# KiCad board Soldered Inkplate 4 TEMPERA with glass panel_panel.kicad_pcb (continued)
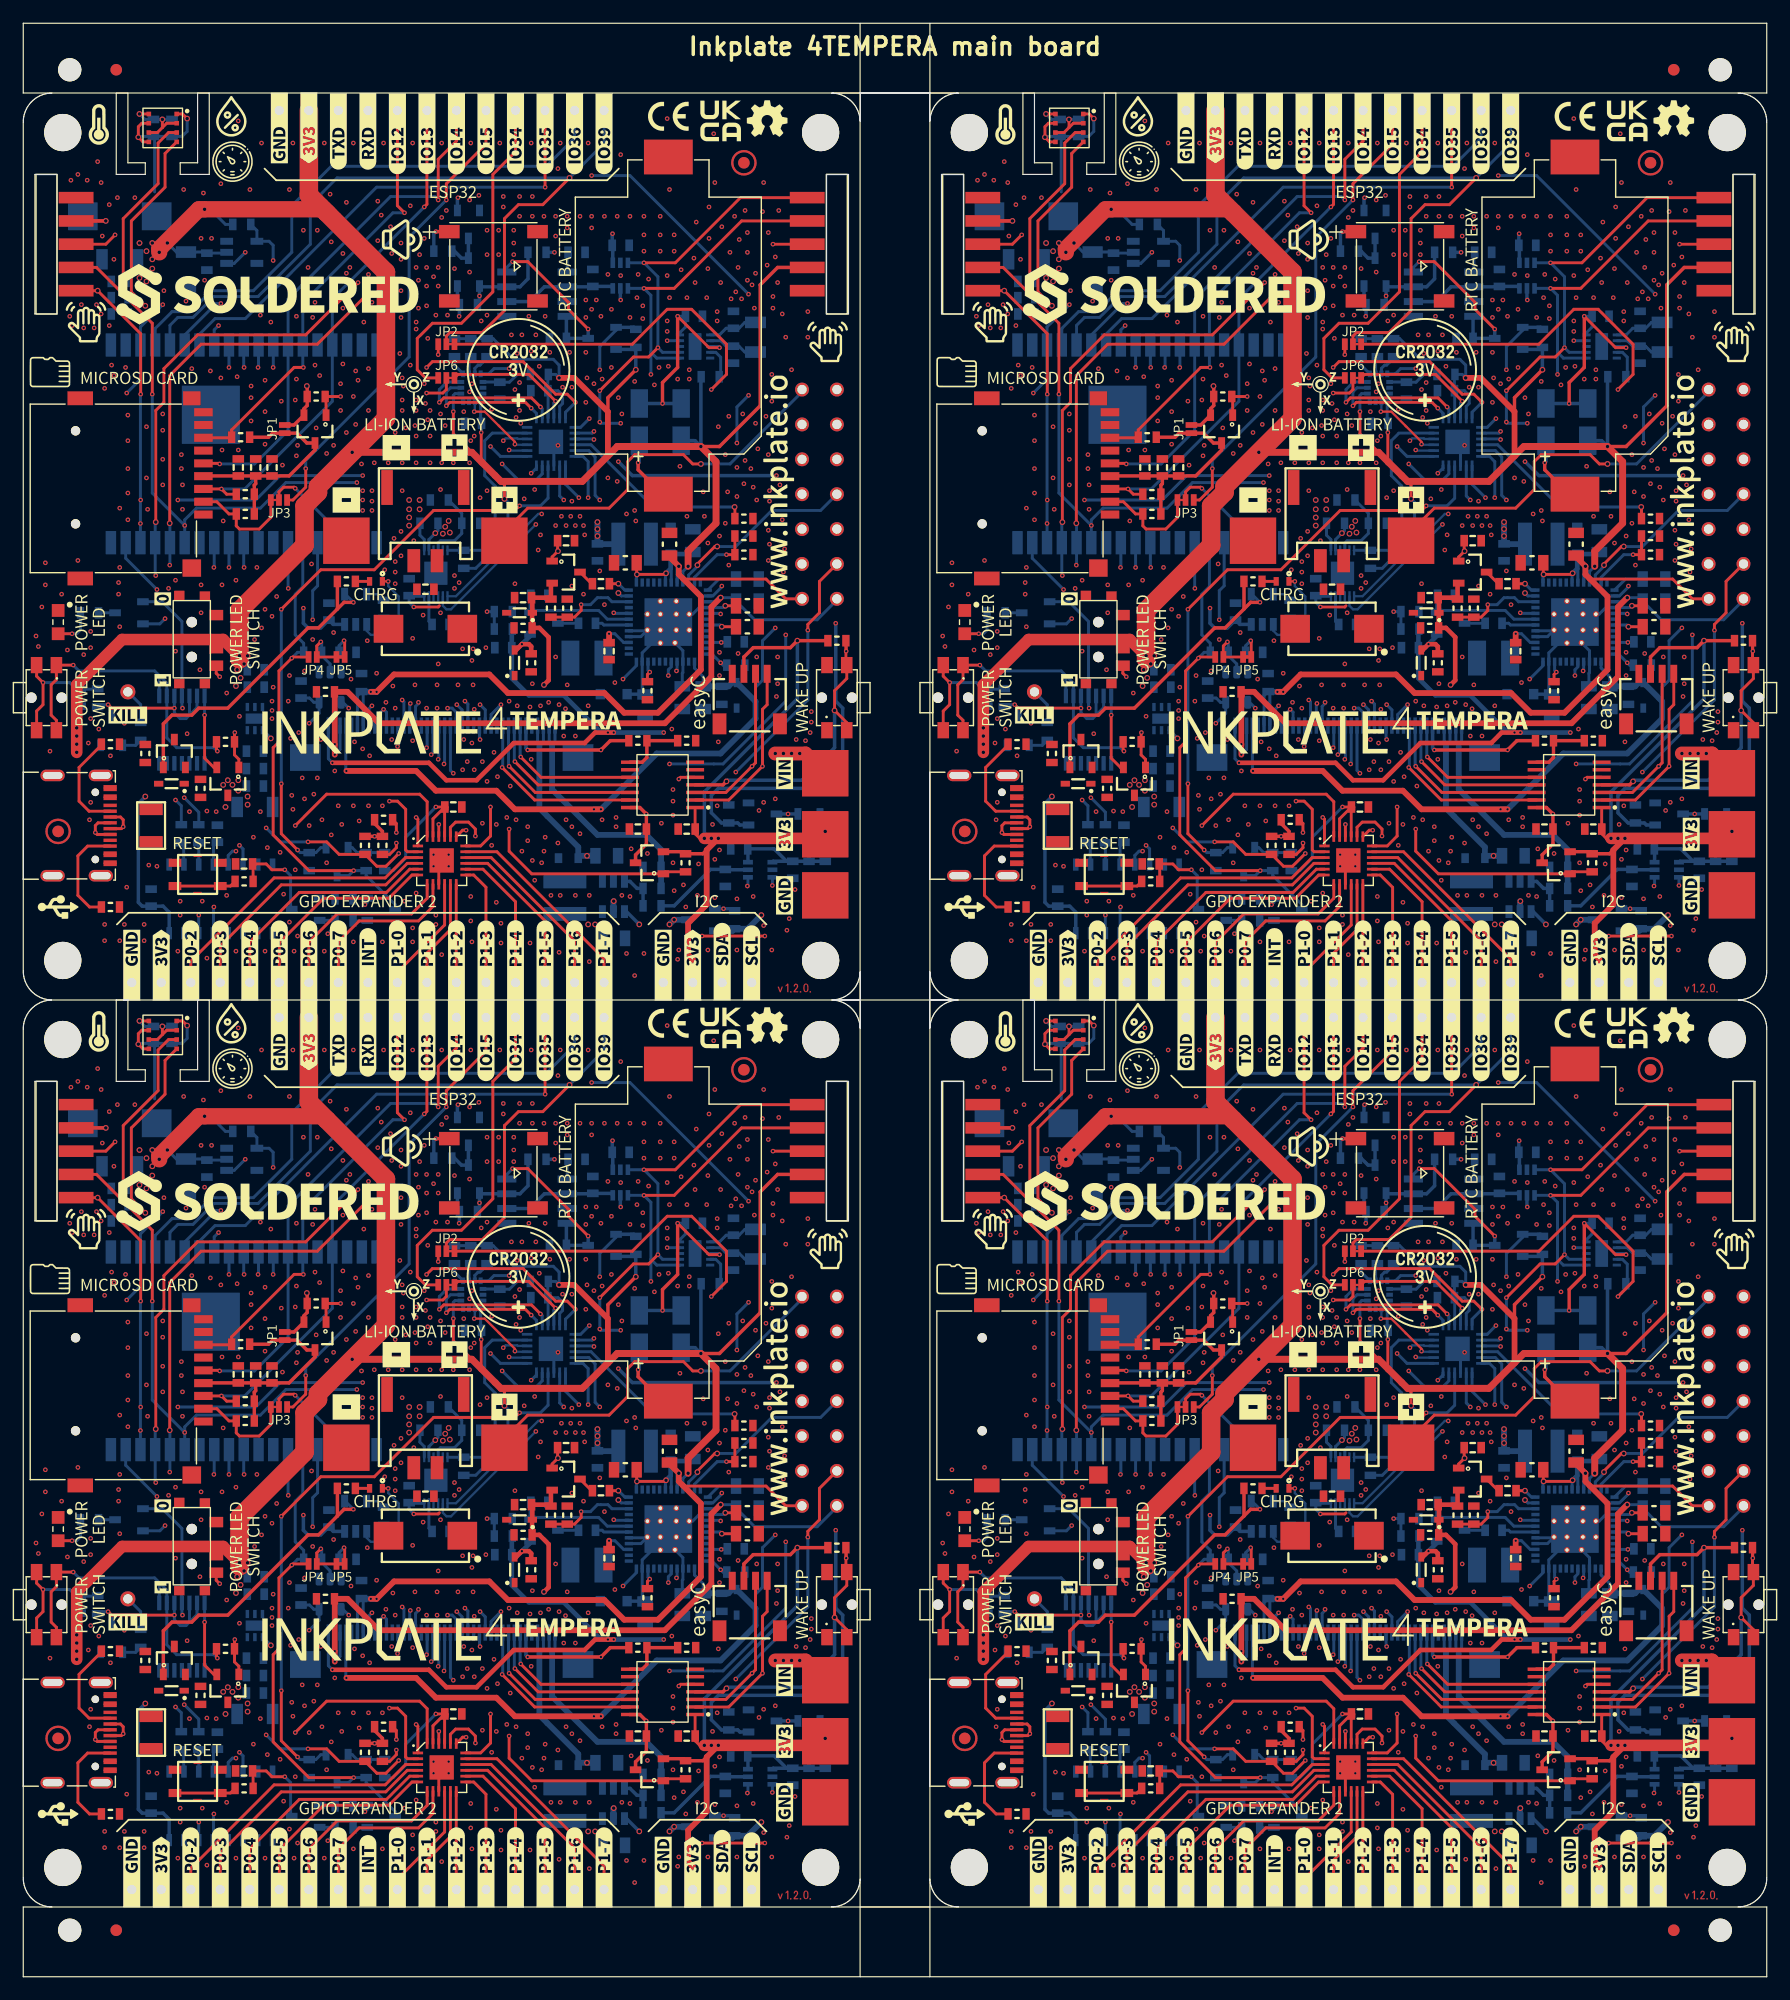
[diagram p0: board, top side]
## Nets (continued)
Board_2-GND: C1#4.1 C2#4.1 C3#4.1 C4#2.1 C5#2.1 C6#4.1 C7#3.1 C8.1 C9#3.1 C10#3.1 C11#3.1 C12#3.1 C13.1 C14#3.1 C15#3.1 C18#4.1 C19.1 C20#3.1 C21#2.1 C22#2.1 C23#2.1 C24#4.1 C25#4.1 C26#4.1 C27#2.1 C28#4.2 C29#2.1 C30#3.2 C31.1 C32#2.1 C33#3.1 C34.1 C35#2.1 C36#3.1 C37.1 C38#3.1 C39#2.1 C40#4.1 C41#4.1 C42#2.1 C43#2.2 C44#4.2 C45.2 C46#3.1 C47#4.1 C48#3.1 C49#2.2 C50.1 C51#4.1 C52#4.1 C53#4.1 C54.2 C55#3.1 C56.1 C57#2.1 C58#4.1 C59.1 C60#3.1 C61#3.1 C62#2.1 C63#4.1 C64#2.1 C65#2.1 C66.1 C67#4.1 C68#3.1 D3#3.1 D4.2 D5#2.2 D9#2.2 K1#4.3 K1#4.9 K1#4.10 K1#4.12 K2.A1 K2.A12 K2.B1 K2.B12 K2.SH K3.2 K4#2.4 K4#2.5 K8#3.1 K10#3.6 K11.- K12#2.5 K12#2.11 K12#2.15 K12#2.24 K12#2.29 K12#2.32 K12#2.36 K12#2.41 K14.1 K23#2.1 K42#4.5 K43.5 L1.1 PAD2#3.1 PAD5#3.1 Q5#3.2 Q10#4.2 Q15#3.2 R3#4.2 R4#2.2 R5.2 R6#3.2 R7#4.2 R8.1 R9#4.1 R10#3.1 R11#4.1 R12#4.1 R14#2.1 R16#3.1 R17.2 R18#4.2 R20.1 R23#2.2 R28.2 R38#3.1 R47#4.2 R48#3.1 R51.1 SW1.1 SW3#3.1 U1#2.6 U1#2.8 U1#2.33 U1#2.41 U1#2.48 U2#2.2 U3.5 U4#4.3 U5#4.3 U6#2.1 U7.1 U7.2 U7.5 U7.6 U7.7 U8.5 U9#2.2 U10#3.7 U11#4.3 U12.2 U13#2.9 U13#2.18 U13#2.25 U14#2.1 U14#2.15 U14#2.38 U14#2.39 U15#2.9 U15#2.25 U16#4.2 U17.6 U17.7 U18#2.1 U19#2.1 U19#2.5 U19#2.7 U20#2.2
Board_2-GPIO15: JP3#2.3 K32.1
Board_2-GPIO_0: JP4#3.1 Q1#3.3 Q3.3 R22.1 R45#4.1 U14#2.25
Board_2-GPIO_0_MOSFET: Q1#3.1 R20.2 U13#2.10
Board_2-GPIO_36: K25.1 R41#2.1 SW3#3.2 U10#3.4 U14#2.4
Board_2-GPIO_39: JP2.2 K24#3.1 U14#2.5
Board_2-GPOUT_FG: R26.2 U5#4.12 U13#2.17
Board_2-I2C_SCL: K1#4.6 K4#2.1 K6#3.1 K42#4.1 K43.1 R1.1 U1#2.17 U5#4.2 U8.7 U9#2.3 U10#3.2 U13#2.19 U14#2.36 U15#2.19 U16#4.3 U17.13 U19#2.4
Board_2-I2C_SCL_B: K12#2.10 U10#3.13
Board_2-I2C_SDA: K1#4.5 K4#2.2 K7#4.1 K42#4.2 K43.2 R2.1 U1#2.18 U5#4.1 U8.6 U9#2.4 U10#3.3 U13#2.20 U14#2.33 U15#2.20 U16#4.4 U17.14 U19#2.3
Board_2-I2C_SDA_B: K12#2.9 U10#3.12
Board_2-INT: U1#2.2 U13#2.7
Board_2-INT1_LSM: U13#2.16 U17.4
Board_2-INT2_LSM: U13#2.15 U17.9
Board_2-INT_APDS: K42#4.3 K43.3 U13#2.11
Board_2-MANUAL_RST: C34.2 Q2#4.3 R27#4.1 R32#3.2 U4#4.4
Board_2-Net-(C16-Pad1): C16#3.1 D6#3.3
Board_2-Net-(C17-Pad2): C17#4.2 D7#2.3
Board_2-Net-(C28-Pad1): C28#4.1 U5#4.5
Board_2-Net-(C33-Pad2): C33#3.2 U6#2.4
Board_2-Net-(C35-Pad2): C35#2.2 R37#4.1 SW2.2
Board_2-Net-(C43-Pad1): C43#2.1 C44#4.1 C45.1 C47#4.2 Q9#3.3 U9#2.1 U9#2.6
Board_2-Net-(C46-Pad2): C46#3.2 JP5.2
Board_2-Net-(C68-Pad2): C68#3.2 U18#2.5
Board_2-Net-(D8-Pad1): D8.1 R19#3.2
Board_2-Net-(D8-Pad2): D8.2 U2#2.1
Board_2-Net-(D9-Pad1): D9#2.1 R31#2.2
Board_2-Net-(D12-Pad1): D12#3.1 K11.+
Board_2-Net-(D13-Pad1): D13#3.1 L3.1 U12.1
Board_2-Net-(F1-Pad2): F1#3.2 K2.A4 K2.A9 K2.B4 K2.B9
Board_2-Net-(JP2-Pad3): JP2.3 R40#2.1 U8.4
Board_2-Net-(JP3-Pad1): JP3#2.1 K10#3.2 R42#4.1
Board_2-Net-(JP4-Pad2): JP4#3.2 JP5.1 R45#4.2 U11#4.2
Board_2-Net-(JP6-Pad3): JP6.3 K17#4.1
Board_2-Net-(K2-PadA5): K2.A5 R18#4.1
Board_2-Net-(K2-PadB5): K2.B5 R17.1
Board_2-Net-(K9-Pad1): K9#3.1 R33#4.2
Board_2-Net-(K15-Pad1): K15.1 U14#2.7
Board_2-Net-(K26-Pad1): K26#4.1 U15#2.3
Board_2-Net-(K27-Pad1): K27#3.1 U15#2.4
Board_2-Net-(K28-Pad1): K28#3.1 U15#2.5
Board_2-Net-(K29-Pad1): K29#2.1 U15#2.6
Board_2-Net-(K30-Pad1): K30#3.1 U15#2.7
Board_2-Net-(K31-Pad1): K31#2.1 U15#2.8
Board_2-Net-(K33-Pad1): K33.1 U15#2.10
Board_2-Net-(K34-Pad1): K34#4.1 U15#2.11
Board_2-Net-(K35-Pad1): K35#2.1 U15#2.12
Board_2-Net-(K36-Pad1): K36#4.1 U15#2.13
Board_2-Net-(K37-Pad1): K37.1 U15#2.14
Board_2-Net-(K38-Pad1): K38#4.1 U15#2.15
Board_2-Net-(K39-Pad1): K39.1 U15#2.16
Board_2-Net-(K40-Pad1): K40#2.1 U15#2.17
Board_2-Net-(K41-Pad1): K41#4.1 R55#3.2 U15#2.22
Board_2-Net-(Q1-Pad2): Q1#3.2 R21#4.1 R22.2
Board_2-Net-(Q2-Pad1): Q2#4.1 R29#2.1
Board_2-Net-(Q3-Pad1): Q3.1 R30#2.1
Board_2-Net-(Q4-Pad2): Q4.2 S1.3
Board_2-Net-(Q4-Pad3): Q4.3 R31#2.1
Board_2-Net-(Q5-Pad1): Q5#3.1 R33#4.1
Board_2-Net-(Q5-Pad3): Q5#3.3 R37#4.2 U7.10 U7.12 U7.13
Board_2-Net-(Q14-Pad3): Q14#3.3 Q15#3.3 R62#2.1
Board_2-Net-(R23-Pad1): R23#2.1 U2#2.5
Board_2-Net-(R32-Pad1): R32#3.1 SW1.2
Board_2-Net-(R36-Pad1): R36.1 SW2.1 U7.8 U7.9
Board_2-Net-(R46-Pad1): R46#3.1 R47#4.1 U10#3.8
Board_2-Net-(R49-Pad2): R49#3.2 R50#4.1 U12.3
Board_2-Net-(R56-Pad2): R56#2.2 U17.1
Board_2-Net-(R57-Pad2): R57#2.2 U17.2
Board_2-Net-(R58-Pad2): R58#2.2 U17.3
Board_2-Net-(R62-Pad2): R62#2.2 U20#2.1
Board_2-OUT: Q14#3.1 Q15#3.1 R59#4.2 R61#2.1 U18#2.3
Board_2-POT_A: C62#2.2 U16#4.6 U18#2.2 U18#2.6
Board_2-POT_W: R59#4.1 U16#4.5
Board_2-PWR_GOOD: U1#2.24 U13#2.8
Board_2-PWRUP: R5.1 U1#2.22 U13#2.5
Board_2-RST: U4#4.1 U13#2.24 U14#2.3 U15#2.24
Board_2-RXD: K18.1 R35#3.2 U14#2.34
Board_2-SD_ENABLE: Q8.1 R39#2.2 U13#2.13
Board_2-SPI_CS: JP3#2.2 U14#2.23
Board_2-SPI_MISO: K10#3.7 K20#4.1 R44#3.1 U14#2.14
Board_2-SPI_MOSI: K10#3.3 K21.1 R43#2.1 U14#2.16
Board_2-SPI_SCK: K10#3.5 K19.1 U14#2.13
Board_2-SW_IN: D10#4.2 Q6.2 Q7#3.2 R63#3.2 U7.14
Board_2-SW_OUT_D: Q4.1 Q6.1 R36.2 U7.11
Board_2-TOUCH_EN: Q11#3.1 R52.2 U15#2.1
Board_2-TOUCH_INT_B: K12#2.8 U10#3.11
Board_2-TOUCH_RESET: U10#3.5 U15#2.2
Board_2-TOUCH_RESET_B: K12#2.7 U10#3.10
Board_2-TXD: K16.1 R34#4.2 U14#2.35
Board_2-unconnected-(K2-PadA8): K2.A8
Board_2-unconnected-(K2-PadB8): K2.B8
Board_2-unconnected-(K10-Pad1): K10#3.1
Board_2-unconnected-(K10-Pad8): K10#3.8
Board_2-unconnected-(S1-Pad1): S1.1
Board_2-unconnected-(U3-Pad3): U3.3
Board_2-unconnected-(U4-Pad5): U4#4.5
Board_2-unconnected-(U5-Pad4): U5#4.4
Board_2-unconnected-(U5-Pad9): U5#4.9
Board_2-unconnected-(U5-Pad11): U5#4.11
Board_2-unconnected-(U6-Pad9): U6#2.9
Board_2-unconnected-(U6-Pad10): U6#2.10
Board_2-unconnected-(U6-Pad11): U6#2.11
Board_2-unconnected-(U6-Pad12): U6#2.12
Board_2-unconnected-(U6-Pad15): U6#2.15
Board_2-unconnected-(U7-Pad3): U7.3
Board_2-unconnected-(U7-Pad4): U7.4
Board_2-unconnected-(U8-Pad8): U8.8
Board_2-unconnected-(U10-Pad6): U10#3.6
Board_2-unconnected-(U10-Pad9): U10#3.9
Board_2-unconnected-(U11-Pad1): U11#4.1
Board_2-unconnected-(U14-Pad17): U14#2.17
Board_2-unconnected-(U14-Pad18): U14#2.18
Board_2-unconnected-(U14-Pad19): U14#2.19
Board_2-unconnected-(U14-Pad20): U14#2.20
Board_2-unconnected-(U14-Pad21): U14#2.21
Board_2-unconnected-(U14-Pad22): U14#2.22
Board_2-unconnected-(U17-Pad10): U17.10
Board_2-unconnected-(U17-Pad11): U17.11
Board_2-unconnected-(U18-Pad7): U18#2.7
Board_2-VBAT: C29#2.2 C30#3.1 C31.2 K1#4.8 K3.1 PAD1#3.1 R24#3.2 U5#4.6 U5#4.8
Board_2-VCOM: C7#3.2 D4.1 K1#4.11 K12#2.37 R9#4.2 U1#2.14
Board_2-VCOM_CTRL: R4#2.1 U1#2.12 U13#2.6
Board_2-VDDH: C15#3.2 D3#3.2 D7#2.2 K1#4.2 K12#2.33 R8.2 R15#2.2
Board_2-VEE: C14#3.2 D5#2.1 D6#3.1 K1#4.13 K12#2.40 R10#3.2 R13#4.2
Board_2-VIN: C6#4.2 C9#3.2 C10#3.2 C20#3.2 C21#2.2 C22#2.2 C23#2.2 K1#4.7 L2#3.1 PAD3#2.1 Q6.3 Q12#2.2 R53#2.2 R63#3.1 U1#2.10 U1#2.27 U3.4 U3.6
Board_2-VIN_BCK: C52#4.2 L3.2 Q12#2.3 U12.4 U12.6
Board_2-VNEG: C2#4.2 K1#4.1 K12#2.38 K12#2.39 R6#3.1 U1#2.3
Board_2-VPOS: C13.2 K1#4.14 K12#2.34 K12#2.35 R7#4.1 U1#2.44
Board_2-VSYS: C67#4.2 Q7#3.3 R24#3.1 R25#4.1 U2#2.3 U5#4.7
Board_2-VUSB: C32#2.2 D10#4.1 F1#3.1 Q7#3.1 R19#3.1 R38#3.2 U2#2.4 U6#2.16
Board_2-WAKEUP: R3#4.1 U1#2.5 U13#2.4
Board_3-3V3: C24.2 C25#3.2 C26#3.2 C27#4.2 C42.2 C53.2 C54#4.1 C55.2 C56#2.2 C57#4.2 C58.2 C59#2.2 C61#4.2 C63.2 C64#3.2 C65#3.2 D11#2.1 JP1#2.2 K4.3 K5#2.1 K13.1 K22#3.1 K42.4 K43#2.4 PAD4#3.1 Q8#3.2 Q9#2.2 Q11#2.2 Q13#3.2 R1#4.2 R2#2.2 R21#2.2 R26#4.1 R27#3.2 R39#3.1 R40#4.2 R41.2 R52#3.1 R54#4.1 R55#2.1 R56#4.1 R57#3.1 R58.1 R60#3.1 S1#4.2 U1#3.45 U3#4.1 U4#3.2 U10#4.1 U13#3.21 U13#3.23 U14#4.2 U15#3.18 U15#3.21 U15#3.23 U17#4.5 U17#4.8 U17#4.12 U19#3.2 U19#3.6 U19#3.8
Board_3-3V3-EINK: C51.2 K1.4 K12#3.30 K12#3.31 U1#3.46 U11.5
Board_3-3V3_BUZZER: C60#4.2 C66#2.2 Q13#3.3 Q14.2 R61#3.2 U16.1 U18#4.4 U18#4.8
Board_3-3V3_MICROSD: C39.2 C40#3.2 C41#3.2 JP1#2.1 K10.4 Q8#3.3 R42.2 R43#3.2 R44.2
Board_3-3V3_RTC: C38.2 D11#2.2 D12#4.2 U8#4.3 U8#4.10
Board_3-3V3_TOUCH: C49#3.1 K12#3.6 Q11#2.3 R46.2 U10#4.14
Board_3-/CTRL & COMS/BIN: R25#3.2 R28#4.1 U5#3.10
Board_3-/CTRL & COMS/CH_RXD: R34#2.1 U6#4.3
Board_3-/CTRL & COMS/CH_TXD: R35.1 U6#4.2
Board_3-/CTRL & COMS/DTR: Q3#2.2 R29#3.2 U6#4.13
Board_3-/CTRL & COMS/RTS: Q2.2 R30.2 U6#4.14
Board_3-/E-paper/DAC_OUT: C48.2 R50#2.2 U9#3.5
Board_3-/MCU & GPIO Expanders/GPIO34: JP6#4.2 U14#4.6
Board_3-/MCU & GPIO Expanders/INTB: JP6#4.1 R54#4.2 U13#3.22
Board_3-/POWER/INT_LDO: C4#3.2 U1#3.7
Board_3-/POWER/TS: R11#2.2 R12.2 U1#3.47
Board_3-/POWER/VB: C11#2.2 C12.2 D2#3.1 U1#3.37 U1#3.42 U1#3.43
Board_3-/POWER/VB_SW: D2#3.2 L2#4.2 U1#3.40
Board_3-/POWER/VN: C3.2 C5#4.2 C8#4.2 D1#3.2 U1#3.4 U1#3.16 U1#3.23 U1#3.28 U1#3.29 U1#3.49
Board_3-/POWER/VN_SW: D1#3.1 L1#2.2 U1#3.25
Board_3-/POWER/VREF: C1.2 U1#3.1
Board_3-/SD & RTC/X1: C36#4.2 U8#4.1 X1.1
Board_3-/SD & RTC/X2: C37#3.2 U8#4.2 X1.2
Board_3-BACKLIGHT_EN: Q10#3.1 R51#3.2 U13#3.12
Board_3-BCK_ANODE: C50#4.2 D13#2.2 K12#3.3 K12#3.4 U12#3.5
Board_3-BCK_CATHODE: K12#3.1 K12#3.2 R48.2 R49#4.1
Board_3-BCK_MOS: Q9#2.1 Q10#3.3 Q12#3.1 R53#4.1
Board_3-BUZZER_EN: Q13#3.1 R60#3.2 U13#3.14
Board_3-CLKOUT_RTC: JP2#2.1 U8#4.9
Board_3-D+: K2#4.A6 K2#4.B6 U6#4.5
Board_3-D-: K2#4.A7 K2#4.B7 U6#4.6
Board_3-EPD_CKV: K12#3.13 U14#4.8
Board_3-EPD_CL: K12#3.28 U11.4
Board_3-EPD_D0: K12#3.23 U14#4.26
Board_3-EPD_D1: K12#3.22 U14#4.29
Board_3-EPD_D2: K12#3.21 U14#4.30
Board_3-EPD_D3: K12#3.20 U14#4.31
Board_3-EPD_D4: K12#3.19 U14#4.37
Board_3-EPD_D5: K12#3.18 U14#4.10
Board_3-EPD_D6: K12#3.17 U14#4.11
Board_3-EPD_D7: K12#3.16 U14#4.12
Board_3-EPD_GMODE: K12#3.14 U13#3.2
Board_3-EPD_LE: K12#3.27 U14#4.24
Board_3-EPD_OE: K12#3.26 U13#3.1
Board_3-EPD_SPH: K12#3.25 U14#4.9
Board_3-EPD_SPV: K12#3.12 U13#3.3
Board_3-GND: C1.1 C2#2.1 C3.1 C4#3.1 C5#4.1 C6#2.1 C7#2.1 C8#4.1 C9#4.1 C10.1 C11#2.1 C12.1 C13#3.1 C14#4.1 C15#4.1 C18#2.1 C19#4.1 C20.1 C21.1 C22.1 C23.1 C24.1 C25#3.1 C26#3.1 C27#4.1 C28#2.2 C29.1 C30#2.2 C31#4.1 C32.1 C33#2.1 C34#3.1 C35#3.1 C36#4.1 C37#3.1 C38.1 C39.1 C40#3.1 C41#3.1 C42.1 C43.2 C44#3.2 C45#3.2 C46#2.1 C47#3.1 C48.1 C49#3.2 C50#4.1 C51.1 C52#3.1 C53.1 C54#4.2 C55.1 C56#2.1 C57#4.1 C58.1 C59#2.1 C60#4.1 C61#4.1 C62.1 C63.1 C64#3.1 C65#3.1 C66#2.1 C67#2.1 C68.1 D3#2.1 D4#3.2 D5.2 D9.2 K1.3 K1.9 K1.10 K1.12 K2#4.A1 K2#4.A12 K2#4.B1 K2#4.B12 K2#4.SH K3#4.2 K4.4 K4.5 K8#2.1 K10.6 K11#4.- K12#3.5 K12#3.11 K12#3.15 K12#3.24 K12#3.29 K12#3.32 K12#3.36 K12#3.41 K14#4.1 K23.1 K42.5 K43#2.5 L1#2.1 PAD2.1 PAD5#4.1 Q5#2.2 Q10#3.2 Q15#2.2 R3#3.2 R4.2 R5#3.2 R6#2.2 R7#3.2 R8#3.1 R9.1 R10.1 R11#2.1 R12.1 R14#3.1 R16#4.1 R17#2.2 R18.2 R20#2.1 R23.2 R28#4.2 R38#4.1 R47.2 R48.1 R51#3.1 SW1#4.1 SW3#4.1 U1#3.6 U1#3.8 U1#3.33 U1#3.41 U1#3.48 U2#4.2 U3#4.5 U4#3.3 U5#3.3 U6#4.1 U7#4.1 U7#4.2 U7#4.5 U7#4.6 U7#4.7 U8#4.5 U9#3.2 U10#4.7 U11.3 U12#3.2 U13#3.9 U13#3.18 U13#3.25 U14#4.1 U14#4.15 U14#4.38 U14#4.39 U15#3.9 U15#3.25 U16.2 U17#4.6 U17#4.7 U18#4.1 U19#3.1 U19#3.5 U19#3.7 U20#4.2
Board_3-GPIO15: JP3#4.3 K32#2.1
Board_3-GPIO_0: JP4#4.1 Q1#4.3 Q3#2.3 R22#4.1 R45#3.1 U14#4.25
Board_3-GPIO_0_MOSFET: Q1#4.1 R20#2.2 U13#3.10
Board_3-GPIO_36: K25#2.1 R41.1 SW3#4.2 U10#4.4 U14#4.4
Board_3-GPIO_39: JP2#2.2 K24#4.1 U14#4.5
Board_3-GPOUT_FG: R26#4.2 U5#3.12 U13#3.17
Board_3-I2C_SCL: K1.6 K4.1 K6#2.1 K42.1 K43#2.1 R1#4.1 U1#3.17 U5#3.2 U8#4.7 U9#3.3 U10#4.2 U13#3.19 U14#4.36 U15#3.19 U16.3 U17#4.13 U19#3.4
Board_3-I2C_SCL_B: K12#3.10 U10#4.13
Board_3-I2C_SDA: K1.5 K4.2 K7.1 K42.2 K43#2.2 R2#2.1 U1#3.18 U5#3.1 U8#4.6 U9#3.4 U10#4.3 U13#3.20 U14#4.33 U15#3.20 U16.4 U17#4.14 U19#3.3
Board_3-I2C_SDA_B: K12#3.9 U10#4.12
Board_3-INT: U1#3.2 U13#3.7
Board_3-INT1_LSM: U13#3.16 U17#4.4
Board_3-INT2_LSM: U13#3.15 U17#4.9
Board_3-INT_APDS: K42.3 K43#2.3 U13#3.11
Board_3-MANUAL_RST: C34#3.2 Q2.3 R27#3.1 R32#2.2 U4#3.4
Board_3-Net-(C16-Pad1): C16#4.1 D6.3
Board_3-Net-(C17-Pad2): C17.2 D7#4.3
Board_3-Net-(C28-Pad1): C28#2.1 U5#3.5
Board_3-Net-(C33-Pad2): C33#2.2 U6#4.4
Board_3-Net-(C35-Pad2): C35#3.2 R37#2.1 SW2#2.2
Board_3-Net-(C43-Pad1): C43.1 C44#3.1 C45#3.1 C47#3.2 Q9#2.3 U9#3.1 U9#3.6
Board_3-Net-(C46-Pad2): C46#2.2 JP5#3.2
Board_3-Net-(C68-Pad2): C68.2 U18#4.5
Board_3-Net-(D8-Pad1): D8#3.1 R19#4.2
Board_3-Net-(D8-Pad2): D8#3.2 U2#4.1
Board_3-Net-(D9-Pad1): D9.1 R31#4.2
Board_3-Net-(D12-Pad1): D12#4.1 K11#4.+
Board_3-Net-(D13-Pad1): D13#2.1 L3#4.1 U12#3.1
Board_3-Net-(F1-Pad2): F1#4.2 K2#4.A4 K2#4.A9 K2#4.B4 K2#4.B9
Board_3-Net-(JP2-Pad3): JP2#2.3 R40#4.1 U8#4.4
Board_3-Net-(JP3-Pad1): JP3#4.1 K10.2 R42.1
Board_3-Net-(JP4-Pad2): JP4#4.2 JP5#3.1 R45#3.2 U11.2
Board_3-Net-(JP6-Pad3): JP6#4.3 K17#3.1
Board_3-Net-(K2-PadA5): K2#4.A5 R18.1
Board_3-Net-(K2-PadB5): K2#4.B5 R17#2.1
Board_3-Net-(K9-Pad1): K9#2.1 R33#3.2
Board_3-Net-(K15-Pad1): K15#4.1 U14#4.7
Board_3-Net-(K26-Pad1): K26#3.1 U15#3.3
Board_3-Net-(K27-Pad1): K27.1 U15#3.4
Board_3-Net-(K28-Pad1): K28.1 U15#3.5
Board_3-Net-(K29-Pad1): K29#3.1 U15#3.6
Board_3-Net-(K30-Pad1): K30.1 U15#3.7
Board_3-Net-(K31-Pad1): K31#4.1 U15#3.8
Board_3-Net-(K33-Pad1): K33#2.1 U15#3.10
Board_3-Net-(K34-Pad1): K34#3.1 U15#3.11
Board_3-Net-(K35-Pad1): K35#4.1 U15#3.12
Board_3-Net-(K36-Pad1): K36#2.1 U15#3.13
Board_3-Net-(K37-Pad1): K37#2.1 U15#3.14
Board_3-Net-(K38-Pad1): K38.1 U15#3.15
Board_3-Net-(K39-Pad1): K39#2.1 U15#3.16
Board_3-Net-(K40-Pad1): K40.1 U15#3.17
Board_3-Net-(K41-Pad1): K41#2.1 R55#2.2 U15#3.22
Board_3-Net-(Q1-Pad2): Q1#4.2 R21#2.1 R22#4.2
Board_3-Net-(Q2-Pad1): Q2.1 R29#3.1
Board_3-Net-(Q3-Pad1): Q3#2.1 R30.1
Board_3-Net-(Q4-Pad2): Q4#2.2 S1#4.3
Board_3-Net-(Q4-Pad3): Q4#2.3 R31#4.1
Board_3-Net-(Q5-Pad1): Q5#2.1 R33#3.1
Board_3-Net-(Q5-Pad3): Q5#2.3 R37#2.2 U7#4.10 U7#4.12 U7#4.13
Board_3-Net-(Q14-Pad3): Q14.3 Q15#2.3 R62.1
Board_3-Net-(R23-Pad1): R23.1 U2#4.5
Board_3-Net-(R32-Pad1): R32#2.1 SW1#4.2
Board_3-Net-(R36-Pad1): R36#2.1 SW2#2.1 U7#4.8 U7#4.9
Board_3-Net-(R46-Pad1): R46.1 R47.1 U10#4.8
Board_3-Net-(R49-Pad2): R49#4.2 R50#2.1 U12#3.3
Board_3-Net-(R56-Pad2): R56#4.2 U17#4.1
Board_3-Net-(R57-Pad2): R57#3.2 U17#4.2
Board_3-Net-(R58-Pad2): R58.2 U17#4.3
Board_3-Net-(R62-Pad2): R62.2 U20#4.1
Board_3-OUT: Q14.1 Q15#2.1 R59#3.2 R61#3.1 U18#4.3
Board_3-POT_A: C62.2 U16.6 U18#4.2 U18#4.6
Board_3-POT_W: R59#3.1 U16.5
Board_3-PWR_GOOD: U1#3.24 U13#3.8
Board_3-PWRUP: R5#3.1 U1#3.22 U13#3.5
Board_3-RST: U4#3.1 U13#3.24 U14#4.3 U15#3.24
Board_3-RXD: K18#3.1 R35.2 U14#4.34
Board_3-SD_ENABLE: Q8#3.1 R39#3.2 U13#3.13
Board_3-SPI_CS: JP3#4.2 U14#4.23
Board_3-SPI_MISO: K10.7 K20#3.1 R44.1 U14#4.14
Board_3-SPI_MOSI: K10.3 K21#2.1 R43#3.1 U14#4.16
Board_3-SPI_SCK: K10.5 K19#2.1 U14#4.13
Board_3-SW_IN: D10#3.2 Q6#2.2 Q7#2.2 R63#2.2 U7#4.14
Board_3-SW_OUT_D: Q4#2.1 Q6#2.1 R36#2.2 U7#4.11
Board_3-TOUCH_EN: Q11#2.1 R52#3.2 U15#3.1
Board_3-TOUCH_INT_B: K12#3.8 U10#4.11
Board_3-TOUCH_RESET: U10#4.5 U15#3.2
Board_3-TOUCH_RESET_B: K12#3.7 U10#4.10
Board_3-TXD: K16#2.1 R34#2.2 U14#4.35
Board_3-unconnected-(K2-PadA8): K2#4.A8
Board_3-unconnected-(K2-PadB8): K2#4.B8
Board_3-unconnected-(K10-Pad1): K10.1
Board_3-unconnected-(K10-Pad8): K10.8
Board_3-unconnected-(S1-Pad1): S1#4.1
Board_3-unconnected-(U3-Pad3): U3#4.3
Board_3-unconnected-(U4-Pad5): U4#3.5
Board_3-unconnected-(U5-Pad4): U5#3.4
Board_3-unconnected-(U5-Pad9): U5#3.9
Board_3-unconnected-(U5-Pad11): U5#3.11
Board_3-unconnected-(U6-Pad9): U6#4.9
Board_3-unconnected-(U6-Pad10): U6#4.10
Board_3-unconnected-(U6-Pad11): U6#4.11
Board_3-unconnected-(U6-Pad12): U6#4.12
Board_3-unconnected-(U6-Pad15): U6#4.15
Board_3-unconnected-(U7-Pad3): U7#4.3
Board_3-unconnected-(U7-Pad4): U7#4.4
Board_3-unconnected-(U8-Pad8): U8#4.8
Board_3-unconnected-(U10-Pad6): U10#4.6
Board_3-unconnected-(U10-Pad9): U10#4.9
Board_3-unconnected-(U11-Pad1): U11.1
Board_3-unconnected-(U14-Pad17): U14#4.17
Board_3-unconnected-(U14-Pad18): U14#4.18
Board_3-unconnected-(U14-Pad19): U14#4.19
Board_3-unconnected-(U14-Pad20): U14#4.20
Board_3-unconnected-(U14-Pad21): U14#4.21
Board_3-unconnected-(U14-Pad22): U14#4.22
Board_3-unconnected-(U17-Pad10): U17#4.10
Board_3-unconnected-(U17-Pad11): U17#4.11
Board_3-unconnected-(U18-Pad7): U18#4.7
Board_3-VBAT: C29.2 C30#2.1 C31#4.2 K1.8 K3#4.1 PAD1.1 R24#4.2 U5#3.6 U5#3.8
Board_3-VCOM: C7#2.2 D4#3.1 K1.11 K12#3.37 R9.2 U1#3.14
Board_3-VCOM_CTRL: R4.1 U1#3.12 U13#3.6
Board_3-VDDH: C15#4.2 D3#2.2 D7#4.2 K1.2 K12#3.33 R8#3.2 R15#3.2
Board_3-VEE: C14#4.2 D5.1 D6.1 K1.13 K12#3.40 R10.2 R13.2
Board_3-VIN: C6#2.2 C9#4.2 C10.2 C20.2 C21.2 C22.2 C23.2 K1.7 L2#4.1 PAD3#4.1 Q6#2.3 Q12#3.2 R53#4.2 R63#2.1 U1#3.10 U1#3.27 U3#4.4 U3#4.6
Board_3-VIN_BCK: C52#3.2 L3#4.2 Q12#3.3 U12#3.4 U12#3.6
Board_3-VNEG: C2#2.2 K1.1 K12#3.38 K12#3.39 R6#2.1 U1#3.3
Board_3-VPOS: C13#3.2 K1.14 K12#3.34 K12#3.35 R7#3.1 U1#3.44
Board_3-VSYS: C67#2.2 Q7#2.3 R24#4.1 R25#3.1 U2#4.3 U5#3.7
Board_3-VUSB: C32.2 D10#3.1 F1#4.1 Q7#2.1 R19#4.1 R38#4.2 U2#4.4 U6#4.16
Board_3-WAKEUP: R3#3.1 U1#3.5 U13#3.4

Pads without a net: FD1 1; FD1#2 1; FD1#3 1; FD1#4 1; FD2 1; FD2#2 1; FD2#3 1; FD2#4 1; FD3 1; FD3#2 1; FD3#3 1; FD3#4 1; FD4 1; FD4#2 1; FD4#3 1; FD4#4 1; K10 12 CD MNT; K10#2 12 CD MNT; K10#3 12 CD MNT; K10#4 12 CD MNT; S1 MH1 MH2 MP1 MP2 MP3 MP4; S1#2 MH1 MH2 MP1 MP2 MP3 MP4; S1#3 MH1 MH2 MP1 MP2 MP3 MP4; S1#4 MH1 MH2 MP1 MP2 MP3 MP4; U1 9 11 13 15 19 20 21 26 38 39; U1#2 9 11 13 15 19 20 21 26 38 39; U1#3 9 11 13 15 19 20 21 26 38 39; U1#4 9 11 13 15 19 20 21 26 38 39; U3 2; U3#2 2; U3#3 2; U3#4 2; U6 7 8; U6#2 7 8; U6#3 7 8; U6#4 7 8; U14 27 28 32; U14#2 27 28 32; U14#3 27 28 32; U14#4 27 28 32; U20 3 4; U20#2 3 4; U20#3 3 4; U20#4 3 4

## Via types
v1: diameter 0.4, hole 0.2, Top to Bottom, 3408 vias
v2: diameter 0.5, hole 0.3, Top to Bottom, 376 vias

## Routing (per net, layer and track width the routed paths; a pad name or vN(x,y) marks a point on that pad's centre or on a via; arc(x,y) is an arc through that point)
Board_0-/POWER/VDDH_D: length 10
  Top w0.254: C19#3.2 45.97,122.63 v2(46,122.6) 45.5,122.1 D7.1
  In1.Cu w0.254: v2(51.2,119) 49,119 46,122 v2(46,122.6)
  Bottom w0.254: U1.35 51.45,118.75 v2(51.2,119)
Board_0-/POWER/VDDH_DRV: length 1.9
  Top w0.254: C17#3.1 v2(51.2,119.8)
  Bottom w0.254: U1.36 51.75,119.25 v2(51.2,119.8)
Board_0-/POWER/VDDH_FB: length 7.8
  Top w0.254: R15#4.1 R16#2.2 47.43,116.93 48,117.5 v1(48,118)
  Bottom w0.254: U1.34 50.65,118.25 50.3,118.6 49.4,118.6 48.8,118 v1(48,118)
Board_0-/POWER/VEE_D: length 10.4
  Bottom w0.254: U1.31 50.25,116.75 49.5,117.5 43.75,117.5 D6#4.2 43.6,118.73 C18.2
Board_0-/POWER/VEE_DRV: length 2.9
  Bottom w0.254: U1.30 49.95,116.25 49.8,116.4 C16.2
Board_0-/POWER/VEE_FB: length 14.4
  In2.Cu w0.254: v1(39.9,117.4) 40,117.3 v1(50.8,117.3)
  Bottom w0.254: U1.32 50.85,117.25 v1(50.8,117.3) ; v1(39.9,117.4) R14.2 R13#3.1
Board_1-/POWER/VDDH_D: length 10
  Top w0.254: C19#2.2 123.97,122.63 v2(124,122.6) 123.5,122.1 D7#3.1
  In1.Cu w0.254: v2(129.2,119) 127,119 124,122 v2(124,122.6)
  Bottom w0.254: U1#4.35 129.45,118.75 v2(129.2,119)
Board_1-/POWER/VDDH_DRV: length 1.9
  Top w0.254: C17#2.1 v2(129.2,119.8)
  Bottom w0.254: U1#4.36 129.75,119.25 v2(129.2,119.8)
Board_1-/POWER/VDDH_FB: length 7.8
  Top w0.254: R15.1 R16.2 125.43,116.93 126,117.5 v1(126,118)
  Bottom w0.254: U1#4.34 128.65,118.25 128.3,118.6 127.4,118.6 126.8,118 v1(126,118)
Board_1-/POWER/VEE_D: length 10.4
  Bottom w0.254: C18#3.2 121.6,118.73 D6#2.2 121.75,117.5 127.5,117.5 128.25,116.75 U1#4.31
Board_1-/POWER/VEE_DRV: length 2.9
  Bottom w0.254: C16#2.2 127.8,116.4 127.95,116.25 U1#4.30
Board_1-/POWER/VEE_FB: length 14.4
  In2.Cu w0.254: v1(128.8,117.3) 118,117.3 v1(117.9,117.4)
  Bottom w0.254: U1#4.32 128.85,117.25 v1(128.8,117.3) ; R13#2.1 R14#4.2 v1(117.9,117.4)
Board_2-/POWER/VDDH_D: length 10
  Top w0.254: D7#2.1 45.5,44.1 v2(46,44.6) 45.97,44.63 C19.2
  In1.Cu w0.254: v2(46,44.6) 46,44 49,41 v2(51.2,41)
  Bottom w0.254: v2(51.2,41) 51.45,40.75 U1#2.35
Board_2-/POWER/VDDH_DRV: length 1.9
  Top w0.254: C17#4.1 v2(51.2,41.8)
  Bottom w0.254: v2(51.2,41.8) 51.75,41.25 U1#2.36
Board_2-/POWER/VDDH_FB: length 7.8
  Top w0.254: v1(48,40) 48,39.5 47.43,38.93 R16#3.2 R15#2.1
  Bottom w0.254: v1(48,40) 48.8,40 49.4,40.6 50.3,40.6 50.65,40.25 U1#2.34
Board_2-/POWER/VEE_D: length 10.4
  Bottom w0.254: U1#2.31 50.25,38.75 49.5,39.5 43.75,39.5 D6#3.2 43.6,40.73 C18#4.2
Board_2-/POWER/VEE_DRV: length 2.9
  Bottom w0.254: C16#3.2 49.8,38.4 49.95,38.25 U1#2.30
Board_2-/POWER/VEE_FB: length 14.4
  In2.Cu w0.254: v1(50.8,39.3) 40,39.3 v1(39.9,39.4)
  Bottom w0.254: U1#2.32 50.85,39.25 v1(50.8,39.3) ; v1(39.9,39.4) R14#2.2 R13#4.1
Board_3-/POWER/VDDH_D: length 10
  Top w0.254: D7#4.1 123.5,44.1 v2(124,44.6) 123.97,44.63 C19#4.2
  In1.Cu w0.254: v2(124,44.6) 124,44 127,41 v2(129.2,41)
  Bottom w0.254: v2(129.2,41) 129.45,40.75 U1#3.35
Board_3-/POWER/VDDH_DRV: length 1.9
  Top w0.254: C17.1 v2(129.2,41.8)
  Bottom w0.254: v2(129.2,41.8) 129.75,41.25 U1#3.36
Board_3-/POWER/VDDH_FB: length 7.8
  Top w0.254: v1(126,40) 126,39.5 125.43,38.93 R16#4.2 R15#3.1
  Bottom w0.254: U1#3.34 128.65,40.25 128.3,40.6 127.4,40.6 126.8,40 v1(126,40)
Board_3-/POWER/VEE_D: length 10.4
  Bottom w0.254: C18#2.2 121.6,40.73 D6.2 121.75,39.5 127.5,39.5 128.25,38.75 U1#3.31
Board_3-/POWER/VEE_DRV: length 2.9
  Bottom w0.254: C16#4.2 127.8,38.4 127.95,38.25 U1#3.30
Board_3-/POWER/VEE_FB: length 14.4
  In2.Cu w0.254: v1(128.8,39.3) 118,39.3 v1(117.9,39.4)
  Bottom w0.254: v1(128.8,39.3) 128.85,39.25 U1#3.32 ; v1(117.9,39.4) R14#3.2 R13.1
Board_0-3V3: length 447
  Top w0.254: 36.47,100.37 36.47,100.6 36.25,100.38 U15#4.21 ; v2(58.6,97.9) 58.2,97.9 57.81,98.29 C42#4.2 57.8,98.71 U10.1 ; 38.6,131.1 37,132.7 v1(37,134.6) ; U15#4.23 35.25,99.58 C59#4.2 v1(35.5,100.6) ; 11.97,159.03 11.54,158.6 U19#4.6 ; 11.97,159.03 v2(11.97,159.73) ; 11.97,159.03 12.34,159.4 U19#4.2 ; U19#4.8 v2(10,160.2) ; v1(39.4,132.8) 39.4,130.3 39.45,130.25 ; U15#4.18 39.35,97.25 40.2,98.1 v1(40.2,100.6) ; v2(41.4,127.1) 41.4,128.3 40.6,129.1
  Top w0.3: R41#4.2 v2(66.6,114.9) 66,114.3 62.8,114.3 62,113.5 K4#3.3 ; JP1.2 23.3,133.45 Q8#2.2 24.15,134.85 24.43,135.13 R39#4.1 24.43,136.78 v2(24.4,136.8) ; R2#4.2 R1#2.2 30.9,98.5 30.23,99.18 R55.1 ; 58.8,96.9 58.48,96.58 R52#4.1 56.8,96.75 Q11.2 ; 50.3,134.6 50.3,135.8 v2(52.7,138.2) ; K43#3.4 64.9,147 63.4,145.5 63.4,135.1 59.9,131.6 v2(58.3,131.6) ; 11.13,147.73 v2(11.1,147.7)
  Top w0.32: K42#3.4 v2(7.1,151)
  Top w0.5: K5.1 57.59,87.51 57.2,87.9 57.2,90.6 58.8,92.2 58.8,96.9 v2(59.8,97.9) ; v2(46.1,137.5) 47.4,137.5 50.3,134.6 50.3,130.8
  Top w0.6: v2(57.2,121.3) 57.2,122.6 59.6,125 59.6,130.3 v2(58.3,131.6) 51.1,131.6 48.1,128.6 41.1,128.6 38.6,131.1 v2(28.3,131.1)
  Top w1: v2(4.6,105.3) 4.6,111.1 8.5,115 17.2,115 v2(18.6,113.6) ; v2(58.6,97.9) 68.65,97.9 PAD4.1
  Top w1.4: v2(11.7,148.3) 11.7,148.6 15.1,152 v2(15.6,152) 25.8,152 26.1,151.7
  Top w1.6: K13#3.1 24.57,153.23 31.2,146.6 31.2,134 25.35,128.15 25.35,127.65 24.2,126.5 24.2,123.1 18.6,117.5 18.6,113.3
  In1.Cu w0.254: v2(15.6,152) 14.5,152 11.97,154.53 v2(11.97,159.73)
  In1.Cu w0.3: v2(7.1,151) 7.8,151.7 15.3,151.7 v2(15.6,152) ; v2(24.4,136.8) 24.4,135 v2(28.3,131.1)
  In1.Cu w1: v2(4.6,107.4) 4.6,97.8 5.1,97.3 7.3,97.3 10.5,94.1 ; K22#2.1 11.87,92.73 10.5,94.1 ; 10.5,94.1 26.1,94.1 32.6,100.6 v1(35.5,100.6) 47.1,100.6 49.8,97.9 v2(59.8,97.9)
  Bottom w0.254: U13.21 45.15,136.28 45.03,136.4 46,136.4 46.4,136 46.4,135.3 46.15,135.05 U13.23 ; 42.9,139.1 42.2,139.1 40.43,140.88 R58#4.1 R56.1 ; 42.9,139.1 42.4,138.6 42.4,137.7 41.83,137.13 C61.2 40.98,137.15 U17#3.5 ; 42.9,139.1 45.6,139.1 46.1,138.6 v2(46.1,137.5) 45.8,137.8 R54#3.1 45.13,137.76 C53#2.2 ; v1(39.4,132.8) 39.43,132.83 C63#2.2 39.35,133.68 U17#3.8 ; v2(41.4,127.1) 41.7,126.8 41.7,123.9 38.93,121.13 R26#2.1 ; U17#3.12 37.15,136.15 37,136 v1(37,134.6) ; v1(35.5,100.6) 32.9,98 32.9,96.2 31.83,95.13 R21#3.2 ; v2(10,160.2) 10.47,159.73 C64.2 C65.2 ; v2(57.2,121.3) 56.75,120.85 U1.45 ; v2(15.6,152) 16.1,152 17.4,150.7 R27.2 ; v2(12.4,149.1) 13.18,148.33 C25#2.2 15.71,148.33 C27#3.2 17.43,148.23 U4#2.2
  Bottom w0.3: v2(52.7,138.2) R60.1 52.53,139.95 Q13#2.2 ; Q9.2 68.55,98.95 v2(69,98.5) ; v2(66.6,114.9) 66.6,109.9 58.6,101.9 v2(58.6,97.9) ; 57.7,132.1 D11#4.1 57.8,132.1 v2(58.3,131.6) 58.3,137.58 R40#3.2
  vias: v1(30.23,98.08) v2(4.6,106.7) v2(4.6,106) v2(10,149.1) v2(10,146.1) v2(10.6,148.4) v2(10.6,145.8) v2(11.1,149.1) v2(11.1,146.9) v2(18.3,111) v2(18.4,112.4) v2(18.7,111.7) v2(19,112.9) v2(19.3,113.6) v2(59.2,97.9)
Board_0-3V3-EINK: length 81.9
  Top w0.254: v2(59.7,123) 59.5,123 58,121.5 v2(58,121.4)
  In1.Cu w0.254: 38.1,105.4 35.8,103.1 26.3,103.1 24.6,104.8 v1(24.6,107.8)
  In1.Cu w0.5: v2(58,121.4) 58.4,121 58.4,114.6 56.9,113.1 55.3,113.1 54.7,112.5 54.7,111.1 53.7,110.1 50.4,110.1 48.5,108.2 42.5,108.2 39.7,105.4 37.4,105.4 35.7,107.1 32.9,107.1 v1(31,109)
  Bottom w0.254: U1.46 57.25,120.55 58,121.3 v2(58,121.4) ; K12#4.30 31.25,108.75 v1(31,109) 30.75,108.75 K12#4.31 ; v1(24.6,107.8) 25.45,108.65 U11#2.5 25,109.6 24.63,109.97 C51#2.2 ; v2(59.7,123) 61.3,123 64.4,126.1 68.6,126.1 K1#2.4
Board_0-3V3_BUZZER: length 42.8
  Top w0.254: v1(48.6,141.7) 46.9,143.4 46.9,144 43.4,147.5 v1(42.1,147.5)
  In1.Cu w0.3: v1(37.5,142.8) 38.6,141.7 v1(48.6,141.7) 50,141.7 52.1,143.8 52.1,148.5 v1(50.7,149.9)
  Bottom w0.254: U18.4 41.6,147 v1(42.1,147.5)